# Altium PCB TEBF0808ASCII.PcbDoc (part 5 of 10)
Units mm, origin at the board's own origin, x right, y up, seen from the top; angles counter-clockwise.
Board outline 170 x 170 mm, 16 copper layers (L 01, L 02 G, L 03 S, L 04 G, L 05 S, L 06 G, L 07 P, L 08 P, L 09 P, L 10 P, L 11 G, L 12 S, L 13 G, L 14 S, L 15 G, L 16), stack 1.774 mm thick; 609 components, 869 nets, 3941 pads, 2358 vias.
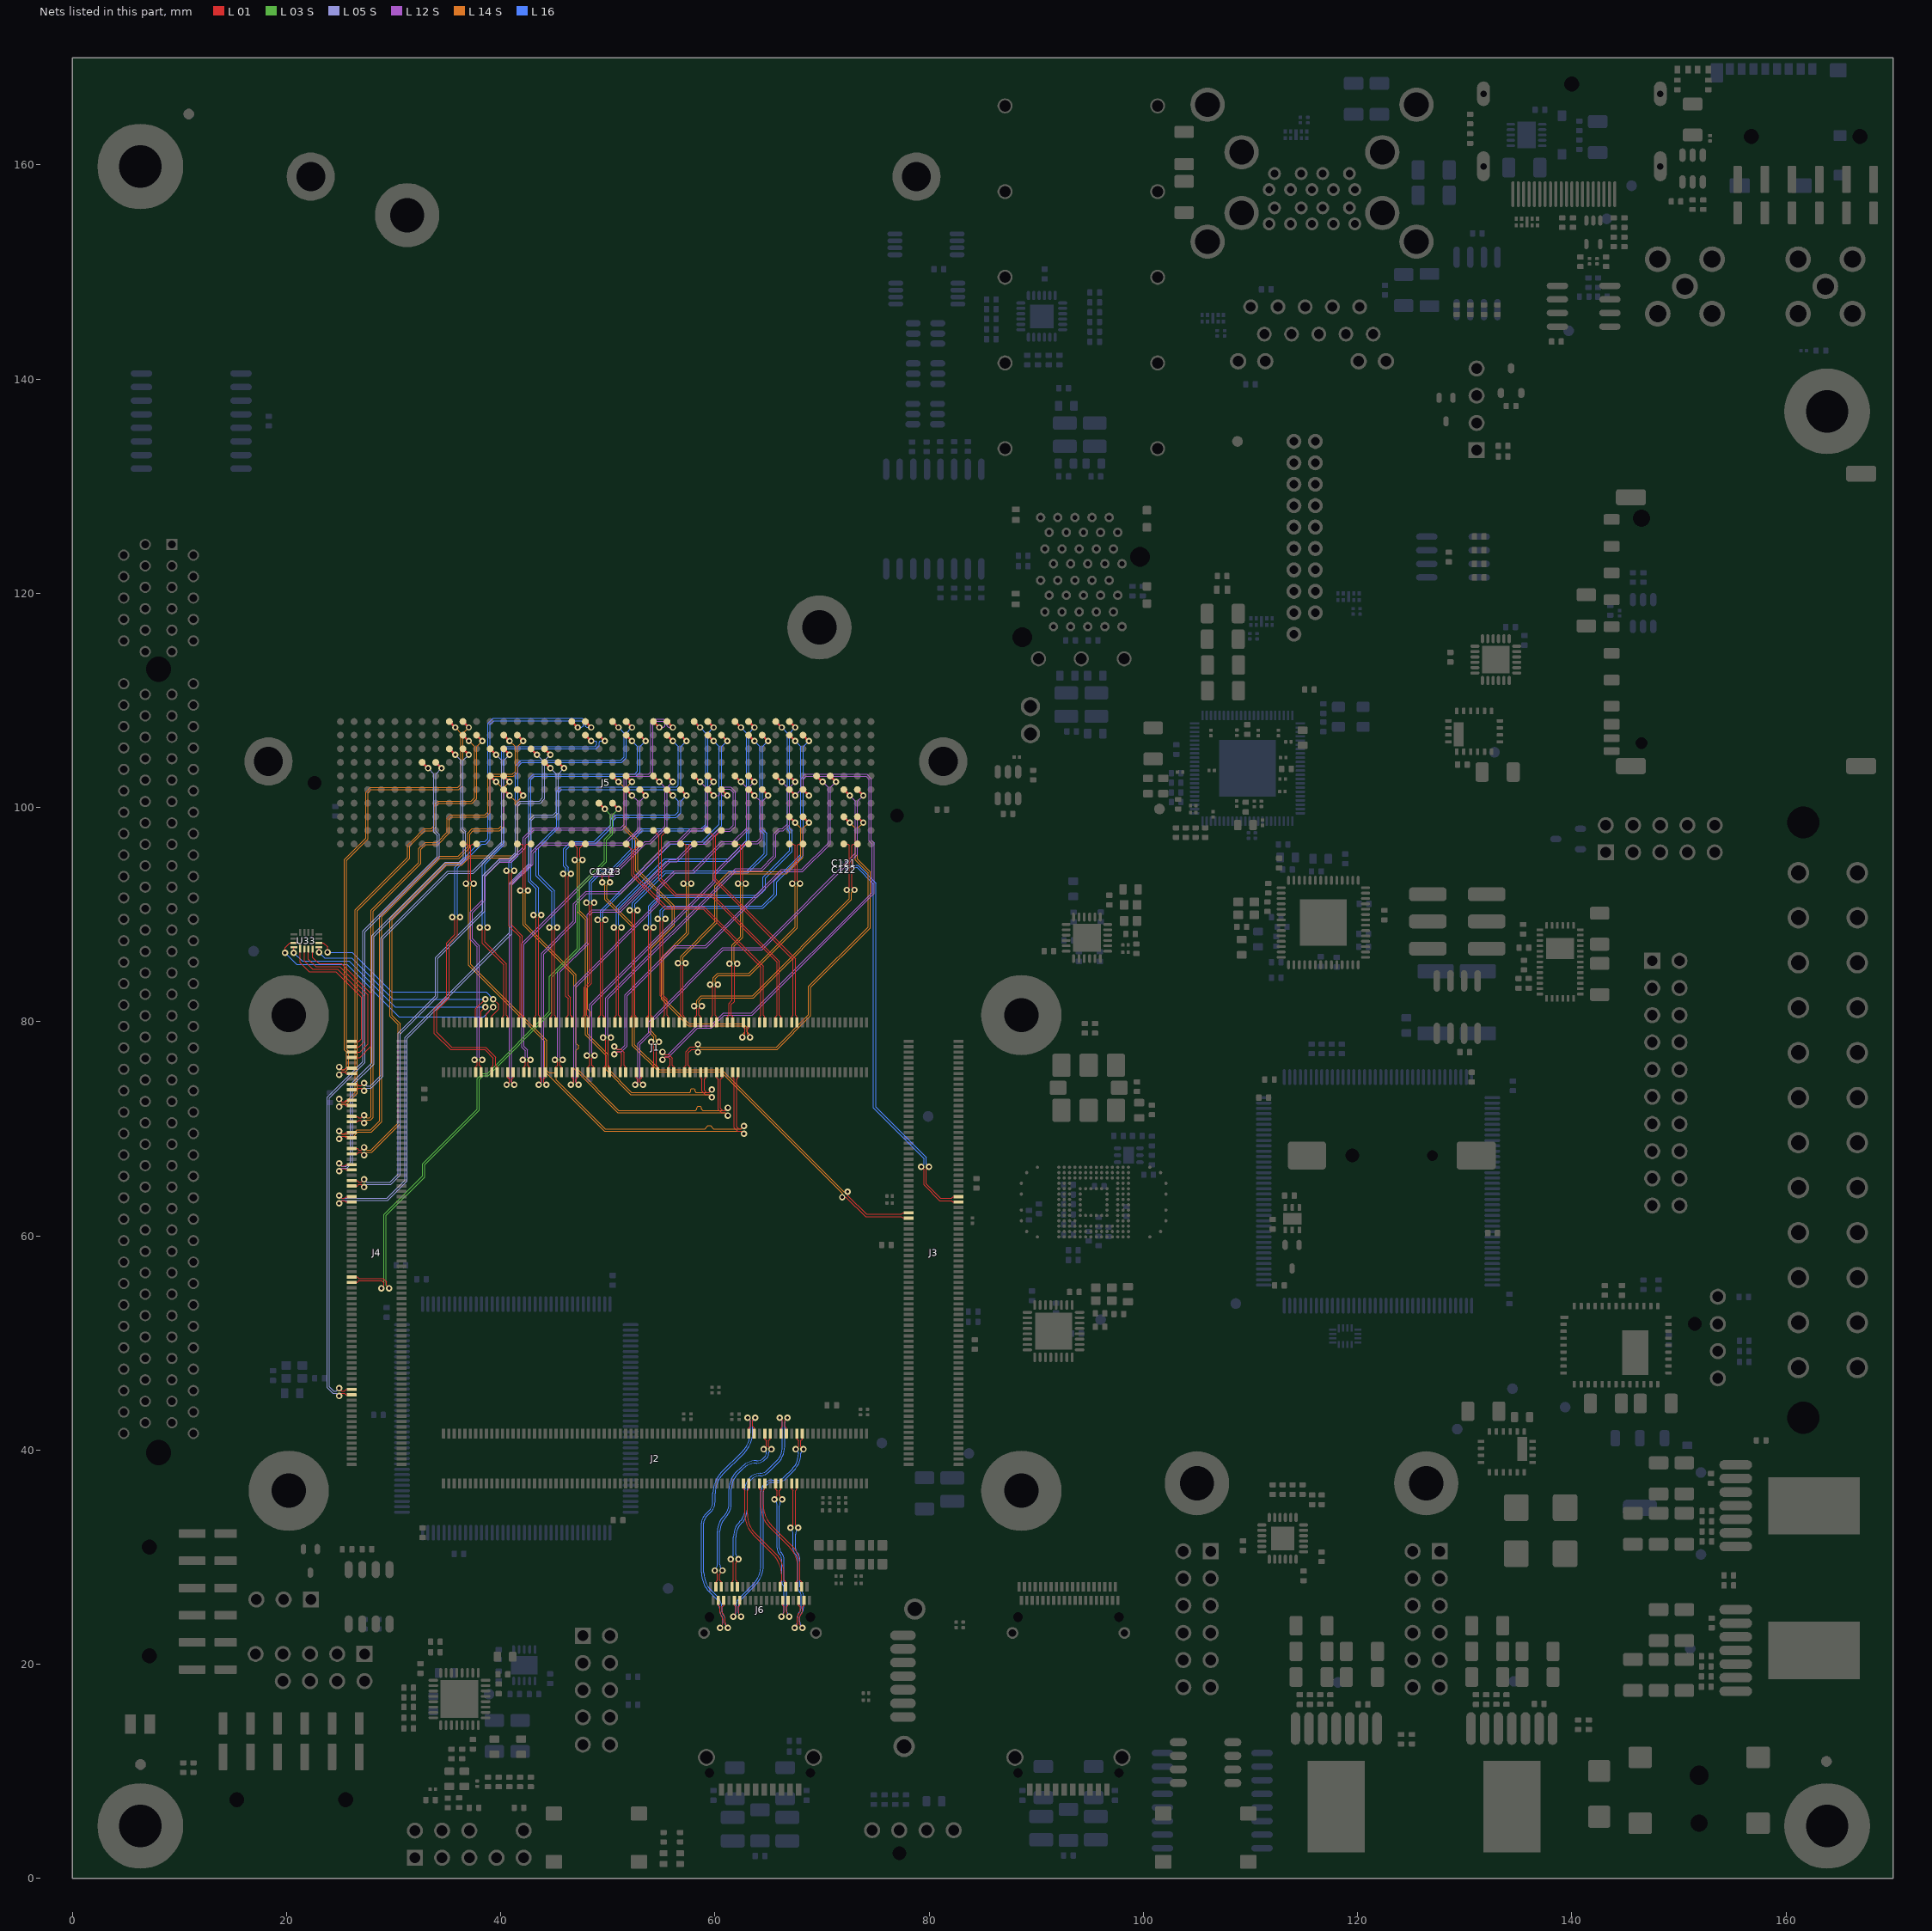
[diagram p15: the nets of this part, all layers, seen from the top]

## Via types
v1: diameter 0.6, hole 0.3, L 01 to L 16, 2358 vias

## Nets (pads, with @x,y where several pads share a name; then routed paths per layer and width w, separated by ;. In a path a pad name is that pad's centre, name@x,y a point inside that pad or via, vN(x,y) a via of type N, cw(c..) or ccw(c..) an arc to the next point about the centre after c; other vN are vias at no path point) (continued)
B65_L13_N: J4.91 J5.D21 | length 58.7
  L 01 w0.1: J4.91@26.07,55.653 26.585,55.653 26.725,55.793 28.907,55.793 29.1,55.6 29.1,55.35 v1(28.85,55.1)
  L 01 w0.2: J5.D21@49.166,100.395 v1(49.715,99.846)
  L 03 S w0.08: v1(28.85,55.1) 29.11,55.36 29.11,61.993 32.7,65.583 32.7,66.725 37.8,71.825 37.8,74.683 38.267,75.15 38.75,75.15 44.55,80.95 44.55,84.233 47.161,86.844 47.161,92.494 49.69,95.023 49.69,97.023 50.25,97.583 50.25,99.311 v1(49.715,99.846)
B65_L13_P: J4.89 J5.D20 | length 59.2
  L 01 w0.1: J4.89@26.07,56.153 26.585,56.153 26.725,56.013 28.998,56.013 29.32,55.691 29.32,55.35 v1(29.57,55.1) v1@29.57,55.291
  L 01 w0.2: J5.D20@50.436,100.395 v1(50.985,99.846)
  L 03 S w0.08: v1(29.57,55.1) 29.31,55.36 29.31,61.91 32.9,65.5 32.9,66.642 38,71.742 38,74.6 38.35,74.95 38.833,74.95 44.75,80.867 44.75,84.15 47.361,86.761 47.361,92.411 49.89,94.94 49.89,96.94 50.45,97.5 50.45,99.311 v1(50.985,99.846)
B65_L15_N: J4.59 J5.G25 | length 54.6
  L 01 w0.1: v1(24.908,63.763) 25.158,63.513 25.415,63.513 25.555,63.653 J4.59@26.07,63.653
  L 01 w0.2: J5.G25@44.086,104.205 v1(44.635,103.656)
  L 05 S w0.08: v1(24.908,63.763) 25.168,63.503 29.353,63.503 31.05,65.2 31.05,78.533 34.25,81.733 40.805,88.288 40.805,92.905 42.65,94.75 42.65,98.874 43.076,99.3 44.9,99.3 45.17,99.57 45.17,103.121 v1(44.635,103.656)
B65_L15_P: J4.61 J5.G24 | length 55
  L 01 w0.1: v1(24.908,63.043) 25.158,63.293 25.415,63.293 25.555,63.153 J4.61@26.07,63.153
  L 01 w0.2: J5.G24@45.356,104.205 v1(45.905,103.656)
  L 05 S w0.08: v1(24.908,63.043) 25.168,63.303 29.436,63.303 31.25,65.117 31.25,78.45 41.005,88.205 41.005,92.823 42.85,94.667 42.85,98.791 43.159,99.1 44.983,99.1 45.37,99.488 45.37,103.121 v1(45.905,103.656)
B65_L16_N: J4.133 J5.G34 | length 66
  L 01 w0.1: v1(24.908,45.043) 25.158,45.293 25.415,45.293 25.555,45.153 J4.133@26.07,45.153
  L 01 w0.2: J5.G34@32.656,104.205 v1(33.205,103.656)
  L 05 S w0.08: v1(24.908,45.043) 24.648,45.303 24.314,45.303 23.8,45.817 23.8,72.933 27.125,76.258 27.125,88.475 34.05,95.4 34.05,97.367 33.74,97.677 33.74,103.121 v1(33.205,103.656)
B65_L16_P: J4.131 J5.G33 | length 65.6
  L 01 w0.1: v1(24.908,45.763) 25.158,45.513 25.415,45.513 25.555,45.653 J4.131@26.07,45.653
  L 01 w0.2: J5.G33@33.926,104.205 v1(34.475,103.656)
  L 05 S w0.08: v1(24.908,45.763) 24.648,45.503 24.397,45.503 24,45.9 24,72.85 27.325,76.175 27.325,88.392 34.25,95.317 34.25,97.45 33.94,97.76 33.94,103.121 v1(34.475,103.656)
B65_L17_N: J4.17 J5.H29 | length 40.4
  L 01 w0.1: J4.17@26.07,74.153 26.585,74.153 26.725,74.013 26.982,74.013 v1(27.232,74.263)
  L 01 w0.2: J5.H29@39.006,105.475 v1(39.555,104.926)
  L 05 S w0.08: v1(27.232,74.263) 27.492,74.003 27.795,74.003 28.8,75.008 28.8,87.833 35.017,94.05 37.35,94.05 40.09,96.79 40.09,104.391 v1(39.555,104.926)
B65_L17_P: J4.19 J5.H28 | length 40.7
  L 01 w0.1: J4.19@26.07,73.653 26.585,73.653 26.725,73.793 26.982,73.793 v1(27.232,73.543)
  L 01 w0.2: J5.H28@40.276,105.475 v1(40.825,104.926)
  L 05 S w0.08: v1(27.232,73.543) 27.492,73.803 27.878,73.803 29,74.925 29,87.75 35.1,93.85 37.433,93.85 40.29,96.708 40.29,104.391 v1(40.825,104.926)
B65_L18_N: J4.55 J5.H25 | length 52.6
  L 01 w0.1: J4.55@26.07,64.653 26.585,64.653 26.725,64.793 26.982,64.793 v1(27.232,64.543)
  L 01 w0.2: J5.H25@44.086,105.475 v1(44.635,104.926)
  L 05 S w0.08: v1(27.232,64.543) 27.492,64.803 29.736,64.803 30.6,65.667 30.6,78.834 34.1,82.334 34.1,85.917 38.5,90.317 38.5,93.55 39.95,95 40.883,95 41.56,95.678 41.56,100.1 41.86,100.4 43.683,100.4 44.1,100.818 44.1,104.391 v1(44.635,104.926)
B65_L18_P: J4.53 J5.H26 | length 52.3
  L 01 w0.1: J4.53@26.07,65.153 26.585,65.153 26.725,65.013 26.982,65.013 v1(27.232,65.263)
  L 01 w0.2: J5.H26@42.816,105.475 v1(43.365,104.926)
  L 05 S w0.08: v1(27.232,65.263) 27.492,65.003 29.653,65.003 30.4,65.75 30.4,78.917 33.9,82.417 33.9,86 37.15,89.25 38.3,90.4 38.3,93.633 39.867,95.2 40.8,95.2 41.36,95.76 41.36,100.183 41.778,100.6 43.6,100.6 43.9,100.9 43.9,104.391 v1(43.365,104.926)
B65_L19_N: J4.49 J5.H31 | length 47.2
  L 01 w0.1: v1(24.908,66.043) 25.158,66.293 25.415,66.293 25.555,66.153 J4.49@26.07,66.153
  L 01 w0.2: J5.H31@36.466,105.475 v1(37.015,104.926)
  L 05 S w0.08: v1(24.908,66.043) 25.168,66.303 25.653,66.303 26.15,66.8 26.15,74.05 28.15,76.05 28.15,87.95 34.9,94.7 36.183,94.7 36.7,95.217 36.7,97.75 36.48,97.97 36.48,104.391 v1(37.015,104.926)
B65_L19_P: J4.47 J5.H32 | length 46.9
  L 01 w0.1: v1(24.908,66.763) 25.158,66.513 25.415,66.513 25.555,66.653 J4.47@26.07,66.653
  L 01 w0.2: J5.H32@35.196,105.475 v1(35.745,104.926)
  L 05 S w0.08: v1(24.908,66.763) 25.168,66.503 25.57,66.503 25.95,66.883 25.95,74.133 27.95,76.133 27.95,88.033 34.817,94.9 36.1,94.9 36.5,95.3 36.5,97.667 36.28,97.887 36.28,104.391 v1(35.745,104.926)
B65_L20_N: J4.35 J5.F29 | length 45.6
  L 01 w0.1: v1(24.908,69.763) 25.158,69.513 25.415,69.513 25.555,69.653 J4.35@26.07,69.653
  L 01 w0.2: J5.F29@39.006,102.935 v1(39.555,102.386)
  L 14 S w0.08: v1(24.908,69.763) 25.168,69.503 26.203,69.503 26.575,69.875 27.85,69.875 28.7,70.725 28.7,89.883 34.267,95.45 36.017,95.45 36.9,96.333 36.9,97.583 37.317,98 39.8,98 40.09,98.29 40.09,101.851 v1(39.555,102.386)
B65_L20_P: J4.37 J5.F28 | length 45.9
  L 01 w0.1: v1(24.908,69.043) 25.158,69.293 25.415,69.293 25.555,69.153 J4.37@26.07,69.153
  L 01 w0.2: J5.F28@40.276,102.935 v1(40.825,102.386)
  L 14 S w0.08: v1(24.908,69.043) 25.168,69.303 26.286,69.303 26.658,69.675 27.933,69.675 28.9,70.642 28.9,89.8 34.35,95.25 36.1,95.25 37.1,96.25 37.1,97.5 37.4,97.8 39.883,97.8 40.29,98.208 40.29,101.851 v1(40.825,102.386)
B65_L21_N: J4.31 J5.J27 | length 47.9
  L 01 w0.1: J4.31@26.07,70.653 26.585,70.653 26.725,70.793 26.982,70.793 v1(27.232,70.543)
  L 01 w0.2: J5.J27@41.546,106.745 v1(42.095,106.196)
  L 14 S w0.08: v1(27.232,70.543) 27.492,70.803 27.833,70.803 28.1,71.07 28.1,90.3 32.55,94.75 32.55,96.086 33.014,96.55 34.133,96.55 35.2,97.617 35.2,98.9 35.4,99.1 38.6,99.1 39,99.5 39,102.8 39.1,102.9 41.183,102.9 41.56,103.278 41.56,105.661 v1(42.095,106.196)
B65_L21_P: J4.29 J5.J28 | length 47.5
  L 01 w0.1: J4.29@26.07,71.153 26.585,71.153 26.725,71.013 26.982,71.013 v1(27.232,71.263)
  L 01 w0.2: J5.J28@40.276,106.745 v1(40.825,106.196)
  L 14 S w0.08: v1(27.232,71.263) 27.492,71.003 27.75,71.003 27.9,71.153 27.9,90.383 32.35,94.833 32.35,96.169 32.931,96.75 34.05,96.75 35,97.7 35,98.983 35.317,99.3 38.517,99.3 38.8,99.583 38.8,102.883 39.017,103.1 41.1,103.1 41.36,103.36 41.36,105.661 v1(40.825,106.196)
B65_L22_N: J4.25 J5.J30 | length 44.3
  L 01 w0.1: v1(24.908,72.043) 25.158,72.293 25.415,72.293 25.555,72.153 J4.25@26.07,72.153
  L 01 w0.2: J5.J30@37.736,106.745 v1(38.285,106.196)
  L 14 S w0.08: v1(24.908,72.043) 25.168,72.303 25.585,72.303 26.6,73.318 26.6,90.334 31.5,95.234 31.5,96.4 32.9,97.8 33.583,97.8 34,98.217 34,100.179 34.221,100.4 37.333,100.4 37.75,100.817 37.75,105.661 v1(38.285,106.196)
B65_L22_P: J4.23 J5.J31 | length 43.9
  L 01 w0.1: v1(24.908,72.763) 25.158,72.513 25.415,72.513 25.555,72.653 J4.23@26.07,72.653
  L 01 w0.2: J5.J31@36.466,106.745 v1(37.015,106.196)
  L 14 S w0.08: v1(24.908,72.763) 25.168,72.503 25.502,72.503 26.4,73.4 26.4,90.417 31.3,95.317 31.3,96.483 31.8,96.983 32.817,98 33.5,98 33.8,98.3 33.8,100.262 34.138,100.6 37.25,100.6 37.55,100.9 37.55,105.661 v1(37.015,106.196)
B65_L23_N: J4.41 J5.E28 | length 45.7
  L 01 w0.1: J4.41@26.07,68.153 26.585,68.153 26.725,68.013 26.982,68.013 v1(27.232,68.263)
  L 01 w0.2: J5.E28@40.276,101.665 v1(40.825,101.116)
  L 14 S w0.08: v1(27.232,68.263) 27.492,68.003 27.9,68.003 30.417,70.52 30.417,79.733 29.65,80.5 29.65,89.6 34.85,94.8 36.267,94.8 36.967,95.5 41.1,95.5 41.36,95.76 41.36,100.581 v1(40.825,101.116)
B65_L23_P: J4.43 J5.E27 | length 46
  L 01 w0.1: J4.43@26.07,67.653 26.585,67.653 26.725,67.793 26.982,67.793 v1(27.232,67.543)
  L 01 w0.2: J5.E27@41.546,101.665 v1(42.095,101.116)
  L 14 S w0.08: v1(27.232,67.543) 27.492,67.803 27.983,67.803 30.617,70.437 30.617,79.816 29.85,80.583 29.85,89.517 34.933,94.6 36.35,94.6 37.05,95.3 41.183,95.3 41.56,95.678 41.56,100.581 v1(42.095,101.116)
B65_L24_N: J4.13 J5.K31 | length 44.7
  L 01 w0.1: v1(24.908,75.043) 25.158,75.293 25.415,75.293 25.555,75.153 J4.13@26.07,75.153
  L 01 w0.2: J5.K31@36.466,108.015 v1(37.015,107.466)
  L 14 S w0.08: v1(24.908,75.043) 25.168,75.303 25.488,75.303 25.8,75.615 25.8,77.255 25.6,77.455 25.6,95.05 27.6,97.05 27.6,101.35 27.9,101.65 36.083,101.65 36.48,102.048 36.48,106.931 v1(37.015,107.466)
B65_L24_P: J4.11 J5.K32 | length 44.4
  L 01 w0.1: v1(24.908,75.763) 25.158,75.513 25.415,75.513 25.555,75.653 J4.11@26.07,75.653
  L 01 w0.2: J5.K32@35.196,108.015 v1(35.745,107.466)
  L 14 S w0.08: v1(24.908,75.763) 25.168,75.503 25.405,75.503 25.6,75.698 25.6,77.172 25.4,77.372 25.4,95.133 27.4,97.133 27.4,101.433 27.45,101.483 27.817,101.85 36,101.85 36.28,102.13 36.28,106.931 v1(35.745,107.466)
B65_T0: J4.7 U33.4 | length 14.8
  L 01 w0.1: U33.4@22.45,86.775 22.45,86 23.05,85.4 25.123,85.4 27.9,82.623 27.9,77.7 26.853,76.653 J4.7@26.07,76.653
B65_T1: J4.5 U33.3 | length 14.3
  L 01 w0.1: U33.3@22.05,86.775 22.05,85.834 22.734,85.15 24.948,85.15 27.6,82.499 27.6,77.9 26.853,77.153 J4.5@26.07,77.153
B65_T2: J4.3 U33.2 | length 13.8
  L 01 w0.1: U33.2@21.65,86.775 21.65,85.669 22.419,84.9 24.774,84.9 27.3,82.374 27.3,78.175 26.778,77.653 J4.3@26.07,77.653
B65_T3: J4.1 U33.1 | length 13.3
  L 01 w0.1: U33.1@21.25,86.825 21.25,85.503 22.103,84.65 24.6,84.65 27,82.25 27,78.4 26.753,78.153 J4.1@26.07,78.153
B66_L1_N: J1.140 J5.K23 | length 49.7
  L 01 w0.1: v1(36.2,89.75) 35.95,89.5 35.95,88.05 35.17,87.27 35.17,82.209 34.02,81.059 34.02,78.991 35.411,77.6 38.6,77.6 39.515,76.685 39.515,75.923 39.655,75.783 J1.140@39.655,75.268
  L 01 w0.2: J5.K23@46.626,108.015 v1(47.175,107.466)
  L 16 w0.1: v1(36.2,89.75) 35.95,90 35.95,94.306 38.224,96.58 38.591,96.58 39.02,97.009 39.02,107.759 39.361,108.1 47.5,108.1 47.7,107.9 47.7,107.6 47.566,107.466 v1(47.175,107.466)
B66_L1_P: J1.142 J5.K22 | length 50.5
  L 01 w0.1: v1(35.48,89.75) 35.73,89.5 35.73,88.141 34.95,87.361 34.95,82.3 33.8,81.15 33.8,78.9 35.32,77.38 38.509,77.38 39.295,76.594 39.295,75.923 39.155,75.783 J1.142@39.155,75.268
  L 01 w0.2: J5.K22@47.896,108.015 v1(48.445,107.466)
  L 16 w0.1: v1(35.48,89.75) 35.73,90 35.73,94.397 38.133,96.8 38.5,96.8 38.8,97.1 38.8,107.85 39.27,108.32 47.591,108.32 47.92,107.991 47.92,107.58 48.034,107.466 v1(48.445,107.466)
B66_L2_N: J1.99 J5.J12 | length 33.9
  L 01 w0.1: J1.99@49.655,79.938 49.655,80.453 49.515,80.593 49.515,89.25 v1(49.765,89.5)
  L 01 w0.2: J5.J12@60.596,106.745 v1(61.145,106.196)
  L 16 w0.1: v1(49.765,89.5) 49.515,89.75 49.515,90.254 55.841,96.58 58.891,96.58 60.62,98.309 60.62,105.671 v1(61.145,106.196)
B66_L2_P: J1.101 J5.J13 | length 33.9
  L 01 w0.1: v1(49.045,89.5) 49.295,89.25 49.295,80.593 49.155,80.453 J1.101@49.155,79.938
  L 01 w0.2: J5.J13@59.326,106.745 v1(59.875,106.196)
  L 16 w0.1: v1(49.045,89.5) 49.295,89.75 49.295,90.345 55.75,96.8 58.8,96.8 60.4,98.4 60.4,105.671 v1(59.875,106.196)
B66_L3_N: J1.93 J5.K10 | length 37.3
  L 01 w0.1: J1.93@51.155,79.938 51.155,80.453 51.015,80.593 51.015,88.55 v1(51.265,88.8)
  L 01 w0.2: J5.K10@63.136,108.015 v1(63.685,107.466)
  L 16 w0.1: v1(51.265,88.8) 51.015,89.05 51.015,90.604 55.391,94.98 61.308,94.98 63.16,96.832 63.16,106.941 v1(63.685,107.466)
B66_L3_P: J1.95 J5.K11 | length 37.3
  L 01 w0.1: v1(50.545,88.8) 50.795,88.55 50.795,80.593 50.655,80.453 J1.95@50.655,79.938
  L 01 w0.2: J5.K11@61.866,108.015 v1(62.415,107.466)
  L 16 w0.1: v1(50.545,88.8) 50.795,89.05 50.795,90.695 55.3,95.2 61.217,95.2 62.94,96.923 62.94,106.941 v1(62.415,107.466)
B66_L4_N: J1.87 J5.J9 | length 37.3
  L 01 w0.1: J1.87@52.655,79.938 52.655,80.453 52.515,80.593 52.515,90.15 v1(52.765,90.4)
  L 01 w0.2: J5.J9@64.406,106.745 v1(64.955,106.196)
  L 16 w0.1: v1(52.765,90.4) 52.515,90.65 52.515,91.004 55.391,93.88 63.091,93.88 64.82,95.609 64.82,97.58 64.43,97.97 64.43,105.671 v1(64.955,106.196)
B66_L4_P: J1.89 J5.J10 | length 37.3
  L 01 w0.1: v1(52.045,90.4) 52.295,90.15 52.295,80.593 52.155,80.453 J1.89@52.155,79.938
  L 01 w0.2: J5.J10@63.136,106.745 v1(63.685,106.196)
  L 16 w0.1: v1(52.045,90.4) 52.295,90.65 52.295,91.095 55.3,94.1 63,94.1 64.6,95.7 64.6,97.489 64.21,97.878 64.21,105.671 v1(63.685,106.196)
B66_L5_N: J1.83 J5.K8 | length 39.6
  L 01 w0.1: v1(53.545,88.8) 53.795,88.55 53.795,80.593 53.655,80.453 J1.83@53.655,79.938
  L 01 w0.2: J5.K8@65.676,108.015 v1(66.225,107.466)
  L 16 w0.1: v1(53.545,88.8) 53.795,89.05 53.795,90.795 54.8,91.8 63.842,91.8 64.48,92.438 64.48,93.48 66.975,95.975 66.975,97.714 66.75,97.938 66.75,106.941 v1(66.225,107.466)
B66_L5_P: J1.81 J5.K7 | length 39.6
  L 01 w0.1: J1.81@54.155,79.938 54.155,80.453 54.015,80.593 54.015,88.55 v1(54.265,88.8)
  L 01 w0.2: J5.K7@66.946,108.015 v1(67.495,107.466)
  L 16 w0.1: v1(54.265,88.8) 54.015,89.05 54.015,90.704 54.891,91.58 63.933,91.58 64.7,92.347 64.7,93.389 67.195,95.884 67.195,97.805 66.97,98.03 66.97,106.941 v1(67.495,107.466)
B66_L6_N: J1.77 J5.J7 | length 38.4
  L 01 w0.1: v1(54.65,89.6) 54.9,89.35 54.9,82.4 55.295,82.005 55.295,80.593 55.155,80.453 J1.77@55.155,79.938
  L 01 w0.2: J5.J7@66.946,106.745 v1(67.495,106.196)
  L 16 w0.1: v1(54.65,89.6) 54.9,89.85 54.9,90.4 55.3,90.8 64.4,90.8 65.53,91.93 65.53,93.13 68.02,95.62 68.02,105.671 v1(67.495,106.196)
B66_L6_P: J1.75 J5.J6 | length 38.4
  L 01 w0.1: v1(55.37,89.6) 55.12,89.35 55.12,82.491 55.515,82.096 55.515,80.593 55.655,80.453 J1.75@55.655,79.938
  L 01 w0.2: J5.J6@68.216,106.745 v1(68.765,106.196)
  L 16 w0.1: v1(55.37,89.6) 55.12,89.85 55.12,90.309 55.391,90.58 64.491,90.58 65.75,91.839 65.75,93.039 68.24,95.529 68.24,105.671 v1(68.765,106.196)
B66_L7_N: J1.100 J5.F8 | length 37
  L 01 w0.1: v1(49.545,78.5) 49.795,78.25 49.795,75.923 49.655,75.783 J1.100@49.655,75.268
  L 01 w0.2: J5.F8@65.676,102.935 v1(66.225,102.386)
  L 12 S w0.08: v1(49.545,78.5) 49.8,78.755 49.8,82.2 61.9,94.3 64.3,94.3 65.5,95.5 65.5,97.549 65.951,98 66.3,98 66.76,98.46 66.76,101.851 v1(66.225,102.386)
B66_L7_P: J1.98 J5.F7 | length 37
  L 01 w0.1: J1.98@50.155,75.268 50.155,75.783 50.015,75.923 50.015,78.25 v1(50.265,78.5)
  L 01 w0.2: J5.F7@66.946,102.935 v1(67.495,102.386)
  L 12 S w0.08: v1(50.265,78.5) 50,78.765 50,82.117 61.983,94.1 64.383,94.1 65.7,95.417 65.7,97.466 66.034,97.8 66.383,97.8 66.96,98.378 66.96,101.851 v1(67.495,102.386)
B66_L8_N: J1.130 J5.F17 | length 35.5
  L 01 w0.1: v1(42.045,76.43) 42.295,76.18 42.295,75.923 42.155,75.783 J1.130@42.155,75.268
  L 01 w0.2: J5.F17@54.246,102.935 v1(54.795,102.386)
  L 12 S w0.08: v1(42.045,76.43) 42.305,76.69 42.305,77.265 41.975,77.595 41.975,87.325 48.45,93.8 50.45,93.8 53.45,96.8 53.88,96.8 55.33,98.25 55.33,101.851 v1(54.795,102.386)
B66_L8_P: J1.128 J5.F16 | length 35.5
  L 01 w0.1: J1.128@42.655,75.268 42.655,75.783 42.515,75.923 42.515,76.18 v1(42.765,76.43)
  L 01 w0.2: J5.F16@55.516,102.935 v1(56.065,102.386)
  L 12 S w0.08: v1(42.765,76.43) 42.505,76.69 42.505,77.348 42.175,77.678 42.175,87.242 48.533,93.6 50.533,93.6 53.533,96.6 53.963,96.6 55.183,97.82 55.53,98.168 55.53,101.851 v1(56.065,102.386)
B66_L9_N: J1.76 J5.E7 | length 48.7
  L 01 w0.1: v1(55.1,76.45) 55.35,76.7 55.6,76.7 55.795,76.505 55.795,75.923 55.655,75.783 J1.76@55.655,75.268
  L 01 w0.2: J5.E7@66.946,101.665 v1(67.495,101.116)
  L 12 S w0.08: v1(55.1,76.45) 55.36,76.71 55.693,76.71 58.383,79.4 59.683,79.4 60.883,80.6 63.483,80.6 74.75,91.867 74.85,91.967 74.85,96.675 74.6,96.925 74.6,102.683 74.183,103.1 68.417,103.1 68.03,102.713 68.03,101.651 v1(67.495,101.116)
B66_L9_P: J1.74 J5.E6 | length 48
  L 01 w0.1: v1(55.1,77.17) 55.35,76.92 55.691,76.92 56.015,76.596 56.015,75.923 56.155,75.783 J1.74@56.155,75.268
  L 01 w0.2: J5.E6@68.216,101.665 v1(68.765,101.116)
  L 12 S w0.08: v1(55.1,77.17) 55.36,76.91 55.61,76.91 58.3,79.6 59.6,79.6 60.8,80.8 63.4,80.8 74.65,92.05 74.65,96.592 74.4,96.842 74.4,102.6 74.1,102.9 68.5,102.9 68.23,102.63 68.23,101.651 v1(68.765,101.116)
B66_L10_N: J1.135 J5.J21 | length 37.9
  L 01 w0.1: v1(38.75,88.8) 38.5,88.55 38.5,87.411 40.515,85.396 40.515,80.593 40.655,80.453 J1.135@40.655,79.938
  L 01 w0.2: J5.J21@49.166,106.745 v1(49.715,106.196)
  L 16 w0.1: v1(38.75,88.8) 38.5,89.05 38.5,94.689 40.3,96.489 40.3,105.2 40.58,105.48 48.891,105.48 49.19,105.779 49.19,106.1 49.286,106.196 v1(49.715,106.196)
B66_L10_P: J1.137 J5.J22 | length 37.9
  L 01 w0.1: v1(38.03,88.8) 38.28,88.55 38.28,87.32 40.295,85.305 40.295,80.593 40.155,80.453 J1.137@40.155,79.938
  L 01 w0.2: J5.J22@47.896,106.745 v1(48.445,106.196)
  L 16 w0.1: v1(38.03,88.8) 38.28,89.05 38.28,94.78 40.08,96.58 40.08,105.291 40.489,105.7 48.8,105.7 48.97,105.87 48.97,106.1 48.875,106.196 v1(48.445,106.196)
B66_L11_N: J1.92 J5.F5 | length 40.6
  L 01 w0.1: v1(50.6,77.67) 50.85,77.42 51.191,77.42 51.515,77.096 51.515,75.923 51.655,75.783 J1.92@51.655,75.268
  L 01 w0.2: J5.F5@69.486,102.935 v1(70.035,102.386)
  L 12 S w0.08: v1(50.6,77.67) 50.86,77.41 51.21,77.41 51.6,77.8 51.6,82.483 56.217,87.1 59.117,87.1 66.217,94.2 68.1,94.2 70.57,96.67 70.57,101.851 v1(70.035,102.386)
B66_L11_P: J1.94 J5.F4 | length 40.5
  L 01 w0.1: v1(50.6,76.95) 50.85,77.2 51.1,77.2 51.295,77.005 51.295,75.923 51.155,75.783 J1.94@51.155,75.268
  L 01 w0.2: J5.F4@70.756,102.935 v1(71.305,102.386)
  L 12 S w0.08: v1(50.6,76.95) 50.86,77.21 51.293,77.21 51.8,77.717 51.8,82.4 56.3,86.9 59.2,86.9 66.3,94 68.183,94 70.77,96.588 70.77,101.851 v1(71.305,102.386)
B66_L12_N: J1.116 J5.E13 | length 39.9
  L 01 w0.1: J1.116@45.655,75.268 45.655,75.783 45.515,75.923 45.515,76.18 v1(45.765,76.43)
  L 01 w0.2: J5.E13@59.326,101.665 v1(59.875,101.116)
  L 12 S w0.08: v1(45.765,76.43) 45.505,76.69 45.505,84.605 48.25,87.35 48.25,89.9 48.6,90.25 51.15,90.25 55.817,94.917 56.45,94.917 58.113,96.58 59.23,96.58 60.434,97.784 61.447,97.784 61.9,98.237 61.9,101.483 61.483,101.9 60.717,101.9 60.41,101.593 60.41,101.2 60.326,101.116 v1(59.875,101.116)
B66_L12_P: J1.118 J5.E12 | length 39.3
  L 01 w0.1: v1(45.045,76.43) 45.295,76.18 45.295,75.923 45.155,75.783 J1.118@45.155,75.268
  L 01 w0.2: J5.E12@60.596,101.665 v1(61.145,101.116)
  L 12 S w0.08: v1(45.045,76.43) 45.305,76.69 45.305,84.688 48.05,87.433 48.05,89.983 48.517,90.45 51.067,90.45 55.734,95.117 56.367,95.117 58.03,96.78 59.147,96.78 60.351,97.984 61.364,97.984 61.7,98.32 61.7,101.4 61.4,101.7 60.8,101.7 60.61,101.51 60.61,101.2 60.695,101.116 v1(61.145,101.116)
B66_L13_N: J1.88 J5.E3 | length 39.9
  L 01 w0.1: v1(52.545,74.106) 52.795,74.356 52.795,74.613 52.655,74.753 J1.88@52.655,75.268
  L 01 w0.2: J5.E3@72.026,101.665 v1(72.575,101.116)
  L 12 S w0.08: v1(52.545,74.106) 52.8,74.36 52.8,77.975 53.795,78.97 53.795,79.978 60.717,86.9 64.3,86.9 73.11,95.71 73.11,100.581 v1(72.575,101.116)
B66_L13_P: J1.86 J5.E2 | length 40
  L 01 w0.1: J1.86@53.155,75.268 53.155,74.753 53.015,74.613 53.015,74.356 v1(53.265,74.106)
  L 01 w0.2: J5.E2@73.296,101.665 v1(73.845,101.116)
  L 12 S w0.08: v1(53.265,74.106) 53,74.371 53,77.892 53.995,78.888 53.995,79.895 60.8,86.7 64.383,86.7 73.31,95.628 73.31,100.581 v1(73.845,101.116)
B66_L14_N: J1.146 J5.K17 | length 49.6
  L 01 w0.1: J1.146@38.155,75.268 38.155,75.783 38.015,75.923 38.015,76.18 v1(38.265,76.43)
  L 01 w0.2: J5.K17@54.246,108.015 v1(54.795,107.466)
  L 12 S w0.08: v1(38.265,76.43) 38.005,76.69 38.005,87.077 37.35,87.733 37.35,90.15 38.5,91.3 38.5,93.517 39.883,94.9 40.983,94.9 42.3,96.217 42.3,97.1 43.1,97.9 51.3,97.9 51.72,98.32 51.72,102.62 52,102.9 53.883,102.9 54.2,103.217 54.2,107.817 54.443,108.06 55.14,108.06 55.33,107.87 55.33,107.6 55.196,107.466 v1(54.795,107.466)